# Altium PCB MU_MP_39_V1.PcbDoc (part 5 of 15) (continued)
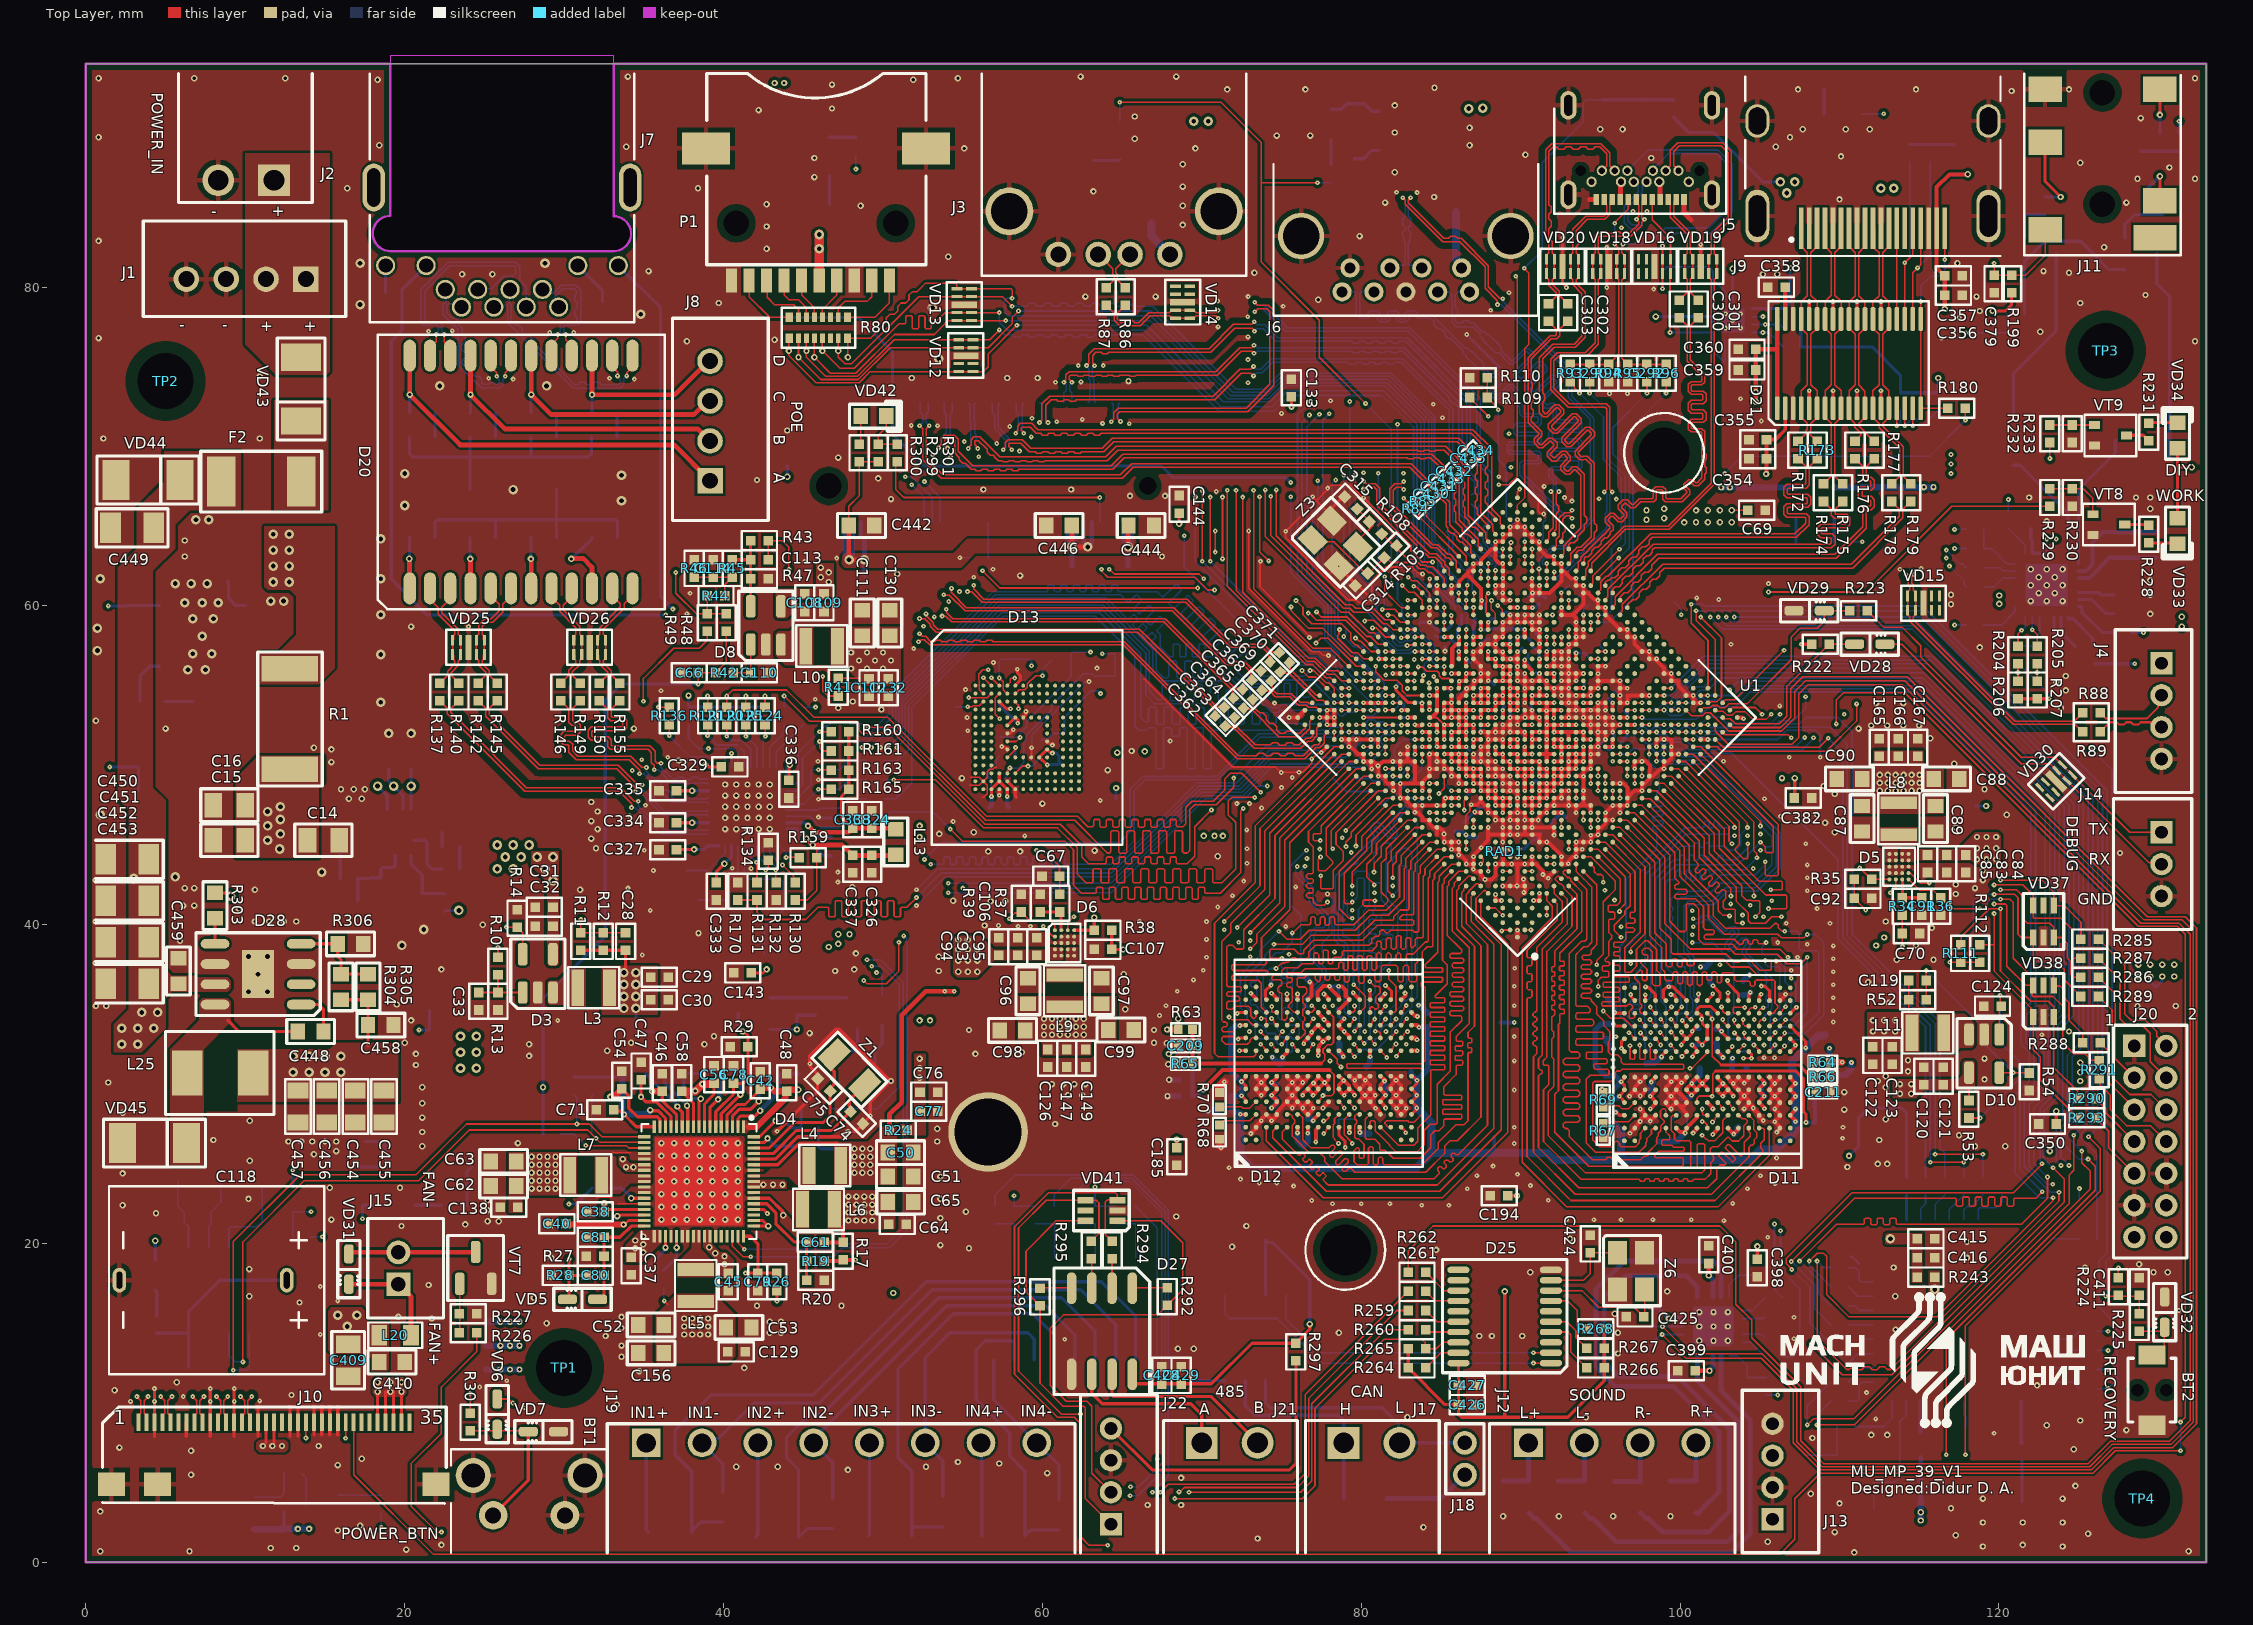
[diagram p0: Top Layer view]
## Nets (pads, with @x,y where several pads share a name; then routed paths per layer and width w, separated by ;. In a path a pad name is that pad's centre, name@x,y a point inside that pad or via, vN(x,y) a via of type N, cw(c..) or ccw(c..) an arc to the next point about the centre after c; other vN are vias at no path point) (continued)
DDR1_A1: D12.P2 U1.A10 | length 34.2
  Top Layer w0.1: D12.P2@81.205,27.301 82.35,26.156 83.298,26.156 83.552,26.41 83.552,27.252 84.351,28.051 84.351,30.5 84.351,30.85 84.409,30.909 85.198,30.909 85.243,30.954 85.243,31.164 85.198,31.209 84.38,31.209 84.335,31.254 84.335,31.464 84.38,31.509 85.198,31.509 85.243,31.554 85.243,31.764 85.198,31.809 84.38,31.809 84.335,31.854 84.335,32.064 84.38,32.109 85.198,32.109 85.243,32.154 85.243,32.364 85.198,32.409 84.38,32.409 84.335,32.454 84.335,32.664 84.38,32.709 85.198,32.709 85.243,32.754 85.243,32.964 85.198,33.009 84.38,33.009 84.335,33.054 84.335,33.264 84.38,33.309 85.198,33.309 85.243,33.354 85.243,33.564 85.198,33.609 84.38,33.609 84.335,33.654 84.335,33.864 84.38,33.909 85.198,33.909 85.243,33.954 85.243,34.164 85.198,34.209 84.38,34.209 84.335,34.254 84.335,34.464 84.38,34.509 85.198,34.509 85.243,34.554 85.243,34.764 85.198,34.809 84.38,34.809 84.335,34.854 84.335,35.064 84.38,35.109 85.198,35.109 85.243,35.154 85.243,35.364 85.198,35.409 84.709,35.409 84.65,35.467 84.65,35.55 84.891,35.791 85.4,36.3 85.4,37.475 85.1,37.775 85.1,42.526 85.201,42.627 85.201,42.886 U1.A10@85.663,43.348
DDR1_A2: D12.N2 U1.B9 | length 34.2
  Top Layer w0.1: D12.N2@80.555,27.301 D12.N2@80.555,27.397 ; D12.N2@80.554,27.397 80.554,27.629 80.635,27.71 80.779,27.71 80.875,27.613 80.875,27.065 81.039,26.901 81.074,26.901 81.774,26.201 81.774,26.156 82.18,25.749 83.501,25.749 83.958,26.207 83.958,27.108 84.327,27.477 84.669,27.477 84.771,27.578 84.771,29.996 85.575,30.801 85.575,33.25 86.3,33.975 86.3,34.157 86.3,34.207 86.21,34.297 85.649,34.297 85.559,34.387 85.559,34.507 85.649,34.597 86.34,34.597 86.43,34.687 86.43,34.807 86.34,34.897 85.649,34.897 85.559,34.987 85.559,35.107 85.649,35.197 86.34,35.197 86.43,35.287 86.43,35.407 86.34,35.497 85.649,35.497 85.559,35.587 85.559,35.707 85.649,35.797 86.34,35.797 86.43,35.887 86.43,36.007 86.34,36.097 85.79,36.097 85.7,36.187 85.7,36.307 85.79,36.397 86.34,36.397 86.43,36.487 86.43,36.607 86.34,36.697 85.79,36.697 85.7,36.787 85.7,36.907 85.79,36.997 86.34,36.997 86.43,37.087 86.43,37.207 86.34,37.297 85.79,37.297 85.7,37.387 85.7,37.507 85.79,37.597 86.34,37.597 86.43,37.687 86.43,37.807 86.34,37.897 85.649,37.897 85.559,37.987 85.559,38.107 85.649,38.197 86.21,38.197 86.3,38.287 86.3,38.425 86.175,38.55 85.4,39.325 85.4,42.401 85.501,42.503 85.501,42.726 86.124,43.348 U1.B9@86.583,43.348
DDR1_A3: D12.N3 U1.A9 | length 34.4
  Top Layer w0.1: D12.N3@80.555,28.101 80.25,27.796 80.25,26.639 80.351,26.537 80.859,26.537 81.164,26.232 81.164,25.901 81.223,25.843 81.507,25.843 82.007,25.343 83.704,25.343 84.364,26.003 84.364,26.816 84.618,27.07 84.875,27.07 85.175,27.37 85.175,27.475 85.175,27.757 85.234,27.816 86.249,27.816 86.294,27.861 86.294,28.071 86.249,28.116 85.149,28.116 85.104,28.161 85.104,28.371 85.149,28.416 86.249,28.416 86.294,28.461 86.294,28.671 86.249,28.716 85.149,28.716 85.104,28.761 85.104,28.971 85.149,29.016 86.249,29.016 86.294,29.061 86.294,29.271 86.249,29.316 85.234,29.316 85.175,29.375 85.175,29.425 85.175,29.825 85.95,30.6 85.95,30.65 85.95,31.133 86.009,31.191 86.313,31.191 86.358,31.236 86.358,31.446 86.313,31.491 85.934,31.491 85.889,31.536 85.889,31.746 85.934,31.791 86.313,31.791 86.358,31.836 86.358,32.046 86.313,32.091 85.934,32.091 85.889,32.136 85.889,32.346 85.934,32.391 86.313,32.391 86.358,32.436 86.358,32.646 86.313,32.691 86.009,32.691 85.95,32.75 85.95,32.8 85.95,32.976 86.774,33.8 86.774,38.551 85.7,39.625 85.7,42.277 85.825,42.402 85.825,42.6 U1.A9@86.113,42.888
DDR1_A4: D12.M3 U1.B8 | length 34.2
  Top Layer w0.1: D12.M3@79.905,28.101 79.706,28.101 79.589,27.985 79.589,27.832 79.721,27.701 79.721,27.557 79.589,27.426 79.589,26.664 79.691,26.562 79.843,26.562 80.174,26.231 80.174,25.425 80.092,25.343 79.939,25.343 79.874,25.407 79.874,25.936 79.81,26 79.72,26 79.549,25.83 79.549,25.126 79.738,24.937 80.175,24.937 80.37,24.937 80.46,25.027 80.46,25.98 80.55,26.07 80.67,26.07 80.76,25.98 80.76,25.018 80.85,24.928 80.97,24.928 81.06,25.018 81.06,25.334 81.15,25.424 81.27,25.424 81.36,25.334 81.36,25.027 81.45,24.937 81.8,24.937 83.812,24.937 84.822,25.947 84.822,26.322 85.95,27.45 86.45,27.45 86.7,27.7 86.7,31.579 86.7,31.929 86.759,31.988 86.894,31.988 86.939,32.033 86.939,32.243 86.894,32.288 86.72,32.288 86.675,32.333 86.675,32.543 86.72,32.588 86.894,32.588 86.939,32.633 86.939,32.843 86.894,32.888 86.759,32.888 86.7,32.946 86.7,33.025 86.7,33.242 87.108,33.65 87.108,38.642 86,39.75 86,42.153 86.125,42.278 86.125,42.435 86.733,43.043 86.884,43.043 87.038,42.888 U1.B8@87.042,42.888
DDR1_A5: D12.F3 U1.A8 | length 34.2
  Top Layer w0.1: D12.F3@76.005,28.101 76.043,28.063 76.16,28.063 76.329,27.894 76.329,26.52 76.849,26 77.387,26 77.956,26 78.13,26.174 78.258,26.174 78.343,26.089 78.343,25.962 78.017,25.636 78.017,25.509 78.102,25.424 78.229,25.424 78.601,25.796 78.728,25.796 78.813,25.711 78.813,25.584 78.391,25.162 78.391,25.034 78.476,24.949 78.603,24.949 78.974,25.32 79.101,25.32 79.186,25.235 79.186,25.108 78.815,24.737 78.815,24.61 78.9,24.525 79.027,24.525 79.225,24.723 79.352,24.723 79.387,24.687 79.599,24.475 84.055,24.475 85.228,25.648 85.228,26.103 85.575,26.45 86.03,26.45 87.514,27.934 87.514,38.686 86.3,39.9 86.3,42.025 86.425,42.15 86.425,42.242 86.583,42.4 U1.A8@86.583,42.429
DDR1_A6: D12.E3 U1.B7 | length 34.3
  Top Layer w0.1: D12.E3@75.355,28.101 75.567,28.101 75.668,27.999 75.668,27.914 75.834,27.748 75.834,27.579 75.668,27.413 75.668,26.74 75.842,26.566 75.859,26.566 76.725,25.7 77.403,25.7 77.724,25.379 77.724,25.138 78.788,24.075 84.574,24.075 84.85,24.35 84.885,24.386 84.885,24.513 84.796,24.602 84.796,24.73 84.881,24.814 85.008,24.814 85.119,24.703 85.246,24.703 85.331,24.788 85.331,24.915 85.22,25.027 85.22,25.154 85.305,25.239 85.432,25.239 85.543,25.127 85.671,25.127 85.756,25.212 85.756,25.339 85.644,25.451 85.644,25.578 85.729,25.663 85.856,25.663 85.946,25.574 86.073,25.574 86.15,25.65 87.92,27.421 87.92,38.755 86.6,40.075 86.6,41.9 86.742,42.042 86.742,42.093 87.213,42.564 87.343,42.564 87.479,42.429 U1.B7@87.502,42.429
DDR1_A7: D12.E2 U1.A7 | length 34.4
  Top Layer w0.1: D12.E2@75.355,27.301 75.047,26.993 75.047,26.553 75.925,25.675 76.06,25.54 76.143,25.54 76.27,25.667 76.333,25.667 76.482,25.519 76.482,25.455 76.333,25.306 76.333,25.243 76.481,25.094 76.545,25.094 76.724,25.274 76.788,25.274 76.937,25.125 76.937,25.061 76.757,24.882 76.757,24.818 76.906,24.67 76.969,24.67 77.149,24.849 77.212,24.849 77.361,24.701 77.361,24.637 77.181,24.458 77.181,24.394 77.33,24.246 77.393,24.246 77.573,24.425 77.637,24.425 77.785,24.276 77.785,24.213 77.628,24.055 77.628,23.972 77.875,23.725 77.925,23.675 84.763,23.675 88.327,27.239 88.327,38.773 86.9,40.2 86.9,41.775 87.042,41.917 U1.A7@87.042,41.969
DDR1_A8: D12.D2 U1.B6 | length 34.3
  Top Layer w0.1: D12.D2@74.705,27.301 74.45,27.046 74.45,26.632 77.807,23.275 84.928,23.275 88.784,27.131 88.784,38.766 87.2,40.35 87.2,41.651 87.699,42.149 87.781,42.149 U1.B6@87.962,41.969
DDR1_A9: D12.C2 U1.A6 | length 34.4
  Top Layer w0.1: D12.C2@74.055,27.301 74.05,27.296 74.05,26.45 77.625,22.875 85.1,22.875 89.19,26.965 89.19,38.805 87.502,40.493 U1.A6@87.502,41.51
DDR1_ATB0: U1.F17 | length 0.5
  Top Layer w0.1: v1(84.287,48.865) 84.288,48.864 84.743,48.864 U1.F17@84.744,48.863
DDR1_ATB1: U1.G17 | length 1.2
  Top Layer w0.1: v1(84.875,48.225) 85.204,48.554 U1.G17@85.204,49.323
DDR1_CKE0: D12.K3 U1.A5 | length 32.4
  Top Layer w0.1: v1(78.573,26.283) 78.325,26.531 78.325,26.586 78.255,26.657 78.255,27.446 78.325,27.516 78.325,27.822 D12.K3@78.605,28.101 ; U1.A5@87.962,41.05 88.276,41.05 88.419,41.05 88.672,40.797 88.679,40.797 v1(88.882,40.594)
  Inner_Layer w0.13: v1(78.573,26.283) 78.267,26.283 78.15,26.4 78.15,26.924 78.226,27 78.782,27 79.157,26.625 80.175,26.625 80.24,26.625 80.316,26.701 80.316,26.828 80.366,26.877 80.597,26.877 80.646,26.828 80.646,26.505 80.696,26.455 80.927,26.455 80.976,26.505 80.976,26.828 81.026,26.877 81.257,26.877 81.306,26.828 81.306,26.505 81.356,26.455 81.587,26.455 81.636,26.505 81.636,26.828 81.686,26.877 81.917,26.877 81.966,26.828 81.966,26.505 82.016,26.455 82.247,26.455 82.296,26.505 82.296,26.627 82.346,26.677 82.577,26.677 82.626,26.627 82.626,26.505 82.676,26.455 82.907,26.455 82.956,26.505 82.956,26.62 83.006,26.669 83.237,26.669 83.286,26.62 83.286,26.505 83.336,26.455 83.567,26.455 83.616,26.505 83.616,26.919 83.666,26.969 83.897,26.969 83.946,26.919 83.946,26.505 83.996,26.455 84.227,26.455 84.276,26.505 84.276,26.549 84.352,26.625 84.5,26.625 84.575,26.625 88.675,30.725 88.675,38.25 88.675,38.45 88.531,38.594 88.531,38.664 88.694,38.827 88.764,38.827 89.079,38.512 89.149,38.512 89.312,38.676 89.312,38.746 89.208,38.85 89.208,38.958 89.463,39.212 89.475,39.225 89.475,40.849 89.399,40.925 89.213,40.925 v1(88.882,40.594)
DDR1_CKE1: D12.K4 U1.E6 | length 32.3
  Top Layer w0.1: D12.K4@78.605,28.901 78.775,28.731 78.775,28.66 78.93,28.505 v1(78.93,28.501) ; v1(88.882,43.351) 88.885,43.348 U1.E6@89.34,43.348
  Inner_Layer w0.13: v1(78.93,28.501) 78.93,27.52 79.151,27.299 79.295,27.299 79.562,27.299 79.661,27.398 79.661,27.614 79.76,27.713 79.892,27.713 79.991,27.614 79.991,27.383 80.09,27.284 80.222,27.284 80.321,27.383 80.321,27.614 80.42,27.713 80.552,27.713 80.651,27.614 80.651,27.321 80.75,27.222 80.882,27.222 80.981,27.321 80.981,27.614 81.08,27.713 81.212,27.713 81.311,27.614 81.311,27.321 81.41,27.222 81.542,27.222 81.641,27.321 81.641,27.614 81.74,27.713 81.872,27.713 81.971,27.614 81.971,27.321 82.07,27.222 82.202,27.222 82.301,27.321 82.301,27.614 82.4,27.713 82.532,27.713 82.631,27.614 82.631,27.367 82.73,27.268 82.862,27.268 82.961,27.367 82.961,27.614 83.06,27.713 83.192,27.713 83.291,27.614 83.291,27.395 83.39,27.296 83.522,27.296 83.621,27.395 83.621,27.614 83.72,27.713 83.852,27.713 83.951,27.614 83.951,27.398 84.05,27.299 84.445,27.299 84.517,27.299 88.1,30.882 88.1,39.174 88.176,39.25 89.033,39.25 89.145,39.362 89.145,39.999 89.069,40.075 88.551,40.075 88.475,40.151 88.475,40.706 89.14,41.37 89.14,41.65 88.53,42.259 88.53,43.252 88.632,43.354 88.879,43.354 v1(88.882,43.351)
DDR1_CLK0_N: D12.J2 R74.2 U1.D8 | length 32.3
  Top Layer w0.08: v1(77.65,26.899) 77.65,26.907 77.8,27.057 77.8,27.144 77.955,27.299 D12.J2@77.955,27.301 ; U1.D8@87.962,43.808 87.961,43.353 v1(87.963,43.351)
  Inner_Layer w0.09: v1(77.65,26.899) 77.644,26.905 77.644,27.131 77.697,27.184 77.971,27.184 78.296,27.508 78.296,29.094 78.295,29.095 78.873,29.673 84.712,29.673 86.609,31.57 86.609,31.573 86.67,31.634 86.67,32 86.67,32.201 86.488,32.382 86.294,32.382 86.25,32.426 86.25,32.629 86.294,32.672 86.765,32.672 86.937,32.845 86.937,33.23 86.765,33.402 86.294,33.402 86.25,33.446 86.25,33.649 86.294,33.692 86.851,33.692 87.023,33.865 87.023,34.25 86.851,34.422 86.294,34.422 86.25,34.466 86.25,34.669 86.294,34.712 86.836,34.712 87.009,34.885 87.009,35.27 86.836,35.442 86.294,35.442 86.25,35.486 86.25,35.689 86.294,35.732 86.852,35.732 87.025,35.905 87.025,36.29 86.852,36.462 86.294,36.462 86.25,36.506 86.25,36.709 86.294,36.752 86.852,36.752 87.024,36.925 87.024,37.31 86.852,37.482 86.294,37.482 86.25,37.526 86.25,37.729 86.294,37.772 86.488,37.772 86.67,37.954 86.67,39.1 86.67,39.384 87.22,39.934 87.22,42.92 87.651,43.351 v1(87.963,43.351)
DDR1_CLK0_P: D12.J3 R72.2 U1.D9 | length 32.3
  Top Layer w0.08: v1(77.639,27.689) 77.681,27.731 77.806,27.731 77.954,27.879 D12.J3@77.955,28.101 ; U1.D9@87.502,44.267 87.659,44.11 87.659,43.966 v1(87.504,43.811)
  Inner_Layer w0.09: v1(77.639,27.689) 77.644,27.683 77.644,27.457 77.697,27.405 77.88,27.405 78.075,27.6 78.075,29.189 78.781,29.895 84.62,29.895 86.45,31.725 86.45,32 86.45,32.109 86.397,32.162 86.203,32.162 86.03,32.335 86.03,32.72 86.203,32.892 86.673,32.892 86.717,32.936 86.717,33.139 86.673,33.182 86.203,33.182 86.03,33.355 86.03,33.74 86.203,33.912 86.759,33.912 86.803,33.956 86.803,34.159 86.759,34.202 86.203,34.202 86.03,34.375 86.03,34.76 86.203,34.932 86.745,34.932 86.789,34.976 86.789,35.179 86.745,35.222 86.203,35.222 86.03,35.395 86.03,35.78 86.203,35.952 86.761,35.952 86.805,35.996 86.805,36.199 86.761,36.242 86.203,36.242 86.03,36.415 86.03,36.8 86.203,36.972 86.761,36.972 86.804,37.016 86.804,37.219 86.761,37.262 86.203,37.262 86.03,37.435 86.03,37.82 86.203,37.992 86.397,37.992 86.45,38.045 86.45,39.1 86.45,39.475 87,40.025 87,43.011 87.504,43.515 v1(87.504,43.811)
DDR1_CSN0: D12.L3 U1.F12 | length 32.2
  Top Layer w0.1: D12.L3@79.255,28.101 78.929,27.775 78.929,26.846 79.352,26.423 ; 79.352,26.421 79.437,26.337 v1(79.437,26.283) ; U1.F12@87.042,46.565 87.042,46.11 v1(87.044,46.108)
  Inner_Layer w0.13: v1(79.437,26.283) 79.44,26.283 79.673,26.05 84.85,26.05 89.125,30.325 89.125,37.65 90.206,38.731 90.206,40.3 90.003,40.503 90.003,41.696 89.244,42.456 89.244,43.476 88.559,44.161 87.714,44.161 87.042,44.833 87.042,46.106 v1(87.044,46.108)
DDR1_CSN1: D12.L4 U1.A2 | length 32.3
  Top Layer w0.1: D12.L4@79.255,28.901 79.255,28.847 79.339,28.762 79.339,28.761 79.58,28.52 v1(79.58,28.501) ; v1(88.815,39.613) 88.869,39.613 88.927,39.671 U1.A2@89.34,39.671
  Inner_Layer w0.13: v1(79.58,28.501) 80.292,28.501 80.707,28.086 84.336,28.086 87.514,31.264 87.514,31.75 87.514,31.815 87.415,31.914 87.283,31.914 87.184,32.013 87.184,32.145 87.283,32.244 87.656,32.244 87.755,32.343 87.755,32.475 87.656,32.574 87.379,32.574 87.28,32.673 87.28,32.805 87.379,32.904 87.656,32.904 87.755,33.003 87.755,33.135 87.656,33.234 87.344,33.234 87.245,33.333 87.245,33.465 87.344,33.564 87.656,33.564 87.755,33.663 87.755,33.795 87.656,33.894 87.432,33.894 87.333,33.993 87.333,34.125 87.432,34.224 87.656,34.224 87.755,34.323 87.755,34.455 87.656,34.554 87.43,34.554 87.331,34.653 87.331,34.785 87.43,34.884 87.656,34.884 87.755,34.983 87.755,35.115 87.656,35.214 87.418,35.214 87.319,35.313 87.319,35.445 87.418,35.544 87.656,35.544 87.755,35.643 87.755,35.775 87.656,35.874 87.434,35.874 87.335,35.973 87.335,36.105 87.434,36.204 87.656,36.204 87.755,36.303 87.755,36.435 87.656,36.534 87.431,36.534 87.332,36.633 87.332,36.765 87.431,36.864 87.656,36.864 87.755,36.963 87.755,37.095 87.656,37.194 87.433,37.194 87.334,37.293 87.334,37.425 87.433,37.524 87.656,37.524 87.755,37.623 87.755,37.755 87.656,37.854 87.283,37.854 87.184,37.953 87.184,38.085 87.283,38.184 87.656,38.184 87.755,38.283 87.755,38.415 87.656,38.514 87.283,38.514 87.184,38.613 87.184,38.745 87.283,38.844 87.656,38.844 87.755,38.943 87.755,39.075 87.656,39.174 87.359,39.174 87.26,39.273 87.26,39.405 87.359,39.504 87.511,39.504 87.61,39.603 87.61,39.759 87.61,41.574 87.686,41.65 88.053,41.65 88.124,41.58 88.124,39.772 88.306,39.589 88.736,39.589 88.761,39.613 v1(88.815,39.613)
DDR1_D0: D12.P9 U1.B15 | length 20
  Top Layer w0.1: v1(80.885,33.317) 80.898,33.304 81.096,33.304 81.205,33.195 D12.P9@81.205,32.901 ; v1(81.977,41.824) 81.667,42.134 81.667,43.842 81.88,44.055 81.88,44.627 83.354,46.1 U1.B15@83.819,46.1
  Bottom Layer w0.1: v1(80.885,33.317) 80.9,33.332 80.9,33.626 81.174,33.9 81.174,34.25 81.424,34.5 81.62,34.5 82.176,35.056 82.176,35.701 82.849,36.375 82.849,43.636 82.785,43.7 82.389,43.7 82.324,43.636 82.324,42.184 81.977,41.837 v1(81.977,41.824)
DDR1_D1: D12.N9 U1.A15 | length 19.9
  Top Layer w0.1: D12.N9@80.555,32.901 80.555,32.888 80.7,32.742 80.7,32.664 80.85,32.515 v1(80.85,32.506) ; v1(81.977,42.942) 81.977,43.727 82.199,43.949 82.199,44.48 U1.A15@83.365,45.646
  Bottom Layer w0.1: v1(80.85,32.506) 80.85,32.782 80.951,32.883 81.139,32.883 81.225,32.97 81.225,33.427 81.509,33.711 81.658,33.711 81.85,33.903 81.85,34.258 82.524,34.933 82.524,35.051 82.535,35.062 82.535,35.071 82.714,35.249 82.86,35.249 83.171,35.56 83.171,44.529 82.899,44.8 82.599,44.8 81.977,44.177 v1(81.977,42.942)
DDR1_D2: D12.N10 U1.B16 | length 20.1
  Top Layer w0.1: D12.N10@80.555,33.701 80.555,33.714 80.7,33.86 80.7,33.922 80.85,34.072 v1(80.85,34.081) ; v1(80.8,43.3) 80.821,43.321 80.821,43.846 81.266,44.291 81.266,44.916 82.915,46.565 U1.B16@83.365,46.565
  Bottom Layer w0.1: v1(80.8,43.3) 80.783,43.317 80.783,44.484 81.399,45.1 81.816,45.1 81.874,45.041 81.874,44.65 81.57,44.346 81.57,41.7 82.299,40.971 82.299,38.125 81.474,37.3 81.18,37.006 81.18,35.525 81.078,35.423 80.947,35.423 80.85,35.326 80.85,35.11 80.914,35.046 81.062,35.046 81.143,34.965 81.143,34.822 81.062,34.741 80.961,34.741 80.85,34.63 v1(80.85,34.081)
DDR1_D3: D12.N11 U1.A16 | length 20.1
  Top Layer w0.1: v1(80.529,36.439) 80.834,36.134 81.062,36.134 81.189,36.007 81.189,35.753 80.9,35.463 80.9,35.154 81.062,34.991 81.062,34.814 80.961,34.712 80.859,34.712 80.729,34.842 80.613,34.842 80.554,34.783 D12.N11@80.555,34.501 ; v1(80.859,41.502) 80.821,41.54 80.711,41.54 80.701,41.55 80.164,41.55 80.099,41.486 80.099,41.284 80.209,41.175 81.397,41.175 81.674,41.452 81.674,41.625 81.266,42.034 81.266,43.866 81.57,44.17 81.57,44.77 U1.A16@82.906,46.106
  Bottom Layer w0.1: v1(80.529,36.439) 80.529,37.496 80.529,37.546 80.53,37.846 80.62,37.936 80.87,37.936 80.96,38.026 80.96,38.146 80.87,38.236 80.56,38.236 80.47,38.326 80.47,38.446 80.56,38.536 80.87,38.536 80.96,38.626 80.96,38.746 80.87,38.836 80.56,38.836 80.47,38.926 80.47,39.046 80.56,39.136 80.886,39.136 80.976,39.226 80.976,39.346 80.886,39.436 80.561,39.436 80.471,39.526 80.471,39.646 80.561,39.736 80.874,39.736 80.964,39.826 80.964,39.946 80.874,40.036 80.562,40.036 80.472,40.126 80.472,40.246 80.562,40.336 80.87,40.336 80.96,40.426 80.96,40.546 80.87,40.636 80.816,40.636 80.726,40.726 80.726,40.853 80.832,40.959 80.859,40.987 v1(80.859,41.502)
DDR1_D4: D12.M8 U1.B17 | length 19.8
  Top Layer w0.1: v1(79.437,42.434) 79.437,43.312 80.656,44.531 80.656,45.231 82.45,47.025 U1.B17@82.906,47.025 ; v1(79.555,32.501) 79.725,32.331 79.725,32.281 D12.M8@79.905,32.101
  Bottom Layer w0.1: v1(79.437,42.434) 79.437,43.063 79.723,43.35 80.3,43.35 80.514,43.136 80.514,41.225 80.149,40.86 80.149,36.553 80.2,36.503 80.2,33.75 79.919,33.469 79.919,33.09 79.792,32.963 79.792,32.767 79.555,32.53 v1(79.555,32.501)
DDR1_D5: D12.M9 U1.A17 | length 19.8
  Top Layer w0.1: D12.M9@79.905,32.901 79.905,32.863 80.025,32.742 80.025,32.721 v1(80.189,32.557) ; v1(80.817,42.501) 80.817,42.533 80.351,42.999 80.351,43.801 80.961,44.411 80.961,45.08 U1.A17@82.446,46.565
  Bottom Layer w0.1: v1(80.189,32.557) 80.575,32.942 80.575,33.717 80.51,33.782 80.51,35.41 80.87,35.77 80.87,37.134 81.26,37.524 81.26,38.65 81.26,39 81.35,39.09 81.909,39.09 81.999,39.18 81.999,39.3 81.909,39.39 81.379,39.39 81.289,39.48 81.289,39.6 81.379,39.69 81.909,39.69 81.999,39.78 81.999,39.9 81.909,39.99 81.35,39.99 81.26,40.08 81.26,40.425 81.26,40.636 81.325,40.7 81.76,40.7 81.824,40.764 81.824,41.008 81.26,41.572 81.26,42.511 81.146,42.625 80.975,42.625 80.851,42.501 v1(80.817,42.501)
DDR1_D6: D12.M10 U1.A18 | length 19.9
  Top Layer w0.1: v1(79.437,41.418) 79.335,41.316 79.03,41.316 78.929,41.418 78.929,43.229 80.351,44.651 80.351,45.39 U1.A18@81.986,47.025 ; v1(79.58,33.319) 79.75,33.489 79.75,33.542 79.905,33.697 D12.M10@79.905,33.701
  Bottom Layer w0.1: v1(79.437,41.418) 79.749,41.73 79.749,42.861 79.814,42.925 80.14,42.925 80.204,42.861 80.204,41.362 79.828,40.985 79.828,36.437 79.89,36.375 79.89,33.89 79.58,33.58 v1(79.58,33.319)
DDR1_D7: D12.M11 U1.B18 | length 20
  Top Layer w0.1: v1(79.437,40.402) 79.234,40.402 78.624,41.011 78.624,43.349 80.046,44.771 80.046,45.546 82,47.5 82.431,47.5 U1.B18@82.446,47.485 ; v1(79.538,36.236) 80.25,35.524 80.25,34.846 D12.M11@79.905,34.501
  Bottom Layer w0.1: v1(79.437,40.402) 79.127,40.712 79.127,41.461 79.062,41.525 78.946,41.525 78.887,41.466 78.887,41.003 78.834,40.95 78.834,40.325 78.834,40.138 78.924,40.048 79.487,40.048 79.577,39.958 79.577,39.838 79.487,39.748 78.924,39.748 78.834,39.658 78.834,39.308 78.834,39.291 78.917,39.208 79.142,39.208 79.518,38.832 79.518,36.257 v1(79.538,36.236)
DDR1_D8: D12.F11 U1.B11 | length 27.9
  Top Layer w0.1: D12.F11@76.005,34.501 75.779,34.501 75.438,34.842 75.438,34.953 75.678,35.193 75.678,35.983 75.588,36.072 75.411,36.072 75.322,36.161 75.322,36.288 75.411,36.377 75.588,36.377 75.675,36.463 75.675,36.603 75.603,36.675 75.384,36.675 75.325,36.734 75.325,36.925 75.385,36.985 76.223,36.985 76.478,37.24 78.52,37.24 78.584,37.304 78.584,37.569 78.673,37.658 78.8,37.658 78.889,37.569 78.889,37.24 78.978,37.15 79.08,37.15 79.169,37.24 79.169,37.99 79.234,38.054 79.409,38.054 79.474,37.99 79.474,37.24 79.563,37.15 79.665,37.15 79.754,37.24 79.754,37.99 79.814,38.05 79.999,38.05 80.059,37.99 80.059,37.24 80.148,37.15 80.274,37.15 80.364,37.24 80.364,37.99 80.428,38.054 80.604,38.054 80.668,37.99 80.668,37.24 80.758,37.15 80.859,37.15 80.961,37.252 80.961,38.161 81.059,38.259 81.141,38.259 81.266,38.134 81.266,37.849 81.355,37.76 81.481,37.76 81.57,37.849 81.57,38.12 81.684,38.234 81.766,38.234 81.875,38.125 81.875,37.849 81.965,37.76 82.091,37.76 82.18,37.849 82.18,38.105 82.309,38.234 82.391,38.234 82.485,38.14 82.485,37.849 82.584,37.75 82.708,37.75 82.819,37.862 82.819,38.108 82.878,38.166 83.266,38.166 84.019,38.919 84.141,38.919 84.2,38.978 84.2,42.911 84.3,43.011 84.3,43.363 85.204,44.267 U1.B11@85.663,44.267
DDR1_D9: D12.F10 U1.B12 | length 25.1
  Top Layer w0.1: v1(74.662,37.252) 75,37.59 75.083,37.59 75.093,37.6 75.191,37.6 75.249,37.658 75.433,37.658 75.699,37.925 75.858,37.925 75.923,37.86 76.59,37.86 76.711,37.98 76.711,38.29 77.13,38.71 80.488,38.71 80.656,38.878 80.656,39.081 80.859,39.284 81.062,39.284 81.164,39.386 81.164,39.589 81.245,39.669 81.388,39.669 81.57,39.487 81.686,39.487 81.849,39.65 83.226,39.65 83.33,39.546 83.541,39.546 83.6,39.605 83.6,43.16 83.7,43.26 83.7,43.678 84.749,44.727 U1.B12@85.204,44.727 ; v1(75.703,33.319) 75.703,33.33 75.85,33.477 75.85,33.542 76.005,33.697 D12.F10@76.005,33.701
  Bottom Layer w0.1: v1(74.662,37.252) 74.255,37.252 73.849,36.846 73.849,35.525 73.747,35.423 73.747,35.118 73.849,35.017 73.849,34.876 74.216,34.509 74.662,34.509 74.763,34.407 74.763,34.204 74.916,34.052 75.119,34.052 75.474,33.696 76.06,33.696 76.124,33.632 76.124,32.875 76.06,32.811 75.739,32.811 75.445,33.104 75.659,33.319 v1(75.703,33.319)
DDR1_D10: D12.F9 U1.A11 | length 28
  Top Layer w0.1: D12.F9@76.005,32.901 76.203,32.901 76.495,33.192 76.495,33.336 76.338,33.493 76.338,33.899 76.469,34.03 76.469,34.174 76.338,34.306 76.338,34.661 76.49,34.814 76.49,34.966 76.338,35.118 76.338,35.474 76.592,35.728 76.592,35.991 76.49,36.092 76.084,36.092 75.978,36.199 75.978,36.611 76.042,36.675 76.421,36.675 76.671,36.925 77.062,36.925 77.121,36.866 77.121,36.596 77.281,36.436 77.364,36.436 77.425,36.497 77.425,36.816 77.484,36.875 77.672,36.875 77.73,36.816 77.73,36.599 77.819,36.509 77.946,36.509 78.035,36.599 78.035,36.756 78.124,36.846 78.25,36.846 78.34,36.756 78.34,36.599 78.429,36.509 78.555,36.509 78.645,36.599 78.645,36.756 78.734,36.846 78.86,36.846 78.949,36.756 78.949,36.497 79.039,36.408 79.165,36.408 79.254,36.497 79.254,36.756 79.343,36.846 79.742,36.846 79.843,36.744 79.843,36.439 79.945,36.338 80.097,36.338 80.199,36.439 80.199,36.744 80.3,36.846 80.758,36.846 80.859,36.744 80.859,36.541 80.961,36.439 81.164,36.439 81.266,36.541 81.266,37.354 81.367,37.455 82.18,37.455 82.282,37.354 82.282,36.541 82.401,36.422 82.544,36.422 82.646,36.523 82.646,37.354 82.742,37.45 82.896,37.45 82.993,37.354 82.993,36.515 83.094,36.414 83.391,36.414 83.492,36.515 83.492,36.752 83.399,36.846 83.399,37.557 83.602,37.76 83.722,37.76 83.819,37.858 83.819,38.295 84.143,38.619 84.441,38.619 84.5,38.678 84.5,42.787 84.6,42.887 84.6,43.204 U1.A11@85.204,43.808
DDR1_D11: D12.F8 U1.B13 | length 25.1
  Top Layer w0.1: v1(74.524,38.775) 74.534,38.765 76.301,38.765 76.886,39.35 79.909,39.35 80.849,40.29 81.985,40.29 82.049,40.354 82.049,40.512 82.463,40.925 82.941,40.925 83,40.984 83,43.408 83.1,43.508 83.1,43.995 84.292,45.186 U1.B13@84.744,45.186 ; v1(75.678,32.506) 75.678,32.495 75.825,32.347 75.825,32.281 D12.F8@76.005,32.101
  Bottom Layer w0.1: v1(74.524,38.775) 74.488,38.739 74.488,38.602 73.956,38.07 73.956,37.892 72.731,36.668 72.731,34.915 73.138,34.509 73.138,34.187 73.629,33.696 73.747,33.696 74.052,33.391 74.052,33.264 74.141,33.175 74.591,33.175 74.781,32.985 75.074,32.985 75.327,32.732 75.327,32.062 75.392,31.998 75.613,31.998 75.678,32.062 v1(75.678,32.506)
DDR1_D12: D12.E11 U1.A12 | length 28
  Top Layer w0.1: D12.E11@75.355,34.501 75.355,34.155 75.201,34.001 75.118,34.001 75.017,34.102 75.017,35.677 74.966,35.728 74.884,35.728 74.763,35.849 74.763,36.033 74.865,36.134 74.916,36.134 75.017,36.236 75.017,36.439 74.916,36.541 74.459,36.541 74.383,36.617 74.383,36.708 74.52,36.846 74.916,36.846 75.017,36.947 75.017,37.1 75.218,37.3 76.03,37.3 76.28,37.55 76.956,37.55 77.021,37.614 77.021,38.162 77.085,38.227 77.226,38.227 77.325,38.127 77.325,37.614 77.39,37.55 77.544,37.55 77.608,37.614 77.608,38.336 77.673,38.4 77.861,38.4 77.925,38.336 77.925,37.614 77.99,37.55 78.153,37.55 78.218,37.614 78.218,37.862 78.319,37.963 78.726,37.963 78.827,38.065 78.827,38.3 78.892,38.364 80.688,38.364 80.966,38.642 80.966,38.883 81.041,38.958 81.185,38.958 81.266,38.878 81.266,38.573 81.367,38.471 81.493,38.471 81.583,38.56 81.583,39.093 81.667,39.177 81.803,39.177 81.888,39.093 81.888,38.561 81.977,38.471 82.103,38.471 82.192,38.56 82.192,39.241 82.251,39.3 82.439,39.3 82.497,39.241 82.497,38.561 82.586,38.471 82.713,38.471 82.802,38.56 82.802,39.093 82.891,39.182 83.017,39.182 83.107,39.093 83.107,38.631 83.165,38.573 83.248,38.573 83.394,38.719 83.394,39.076 83.501,39.182 83.832,39.182 83.9,39.25 83.9,43.035 84,43.135 84,43.523 U1.A12@84.744,44.267
DDR1_D13: D12.E10 U1.A13 | length 25.1
  Top Layer w0.1: v1(75.024,37.9) 75.019,37.905 74.346,37.905 74.274,37.976 74.274,38.391 74.339,38.455 75.806,38.455 76.086,38.175 76.33,38.175 76.389,38.234 76.389,38.407 77.007,39.025 80.074,39.025 81.029,39.98 83.241,39.98 83.3,40.038 83.3,40.241 83.241,40.3 82.482,40.3 82.423,40.359 82.423,40.441 82.607,40.625 83.241,40.625 83.3,40.684 83.3,43.284 83.4,43.384 83.4,43.842 U1.A13@84.285,44.727 ; D12.E10@75.355,33.701 75.355,33.714 75.5,33.86 75.5,33.876 75.663,34.039 v1(75.663,34.05)
  Bottom Layer w0.1: v1(75.024,37.9) 75.078,37.846 75.078,37.569 74.989,37.48 74.989,37.354 75.078,37.264 75.284,37.264 75.368,37.18 75.368,37.044 75.284,36.959 75.078,36.959 74.989,36.87 74.989,36.744 75.078,36.655 75.284,36.655 75.368,36.571 75.368,36.417 75.271,36.32 74.966,36.32 74.865,36.219 74.865,35.423 75.068,35.22 75.474,35.22 75.678,35.017 75.678,34.883 75.588,34.793 75.157,34.793 75.068,34.704 75.068,34.578 75.157,34.489 75.588,34.489 75.675,34.402 75.675,34.062 v1(75.663,34.05)
DDR1_D14: D12.E9 U1.A14 | length 25.2
  Top Layer w0.1: v1(74.839,39.589) 75.347,39.081 76.178,39.081 76.748,39.65 79.632,39.65 80.581,40.6 81.699,40.6 82.7,41.601 82.7,43.532 82.8,43.632 82.8,44.161 U1.A14@83.825,45.186 ; v1(75.017,32.506) 75.175,32.664 75.175,32.721 D12.E9@75.355,32.901
  Bottom Layer w0.1: v1(74.839,39.589) 73.646,38.395 73.646,38.065 72.431,36.85 72.426,36.846 72.426,36.23 72.336,36.14 71.995,36.14 71.905,36.05 71.905,35.93 71.995,35.84 72.341,35.84 72.431,35.75 72.431,35.63 72.341,35.54 71.995,35.54 71.905,35.45 71.905,35.33 71.995,35.24 72.336,35.24 72.426,35.15 72.426,35.1 72.426,34.774 72.833,34.367 72.833,34.001 73.341,33.493 73.341,33.086 73.569,32.858 74.484,32.858 74.836,32.506 v1(75.017,32.506)
DDR1_D15: D12.D9 U1.B14 | length 25.2
  Top Layer w0.1: D12.D9@74.705,32.901 74.705,32.905 74.9,33.1 74.9,33.15 75.051,33.301 v1(75.055,33.301) ; v1(75.678,39.487) 75.712,39.487 76.22,39.995 76.688,39.995 76.738,39.995 76.828,40.085 76.828,40.409 76.918,40.499 77.038,40.499 77.128,40.409 77.128,40.059 77.218,39.969 77.338,39.969 77.428,40.059 77.428,40.409 77.518,40.499 77.638,40.499 77.728,40.409 77.728,40.059 77.818,39.969 77.938,39.969 78.028,40.059 78.028,40.409 78.118,40.499 78.238,40.499 78.328,40.409 78.328,40.085 78.418,39.995 78.6,39.995 79.538,39.995 80.453,40.91 81.57,40.91 82.4,41.739 82.4,43.725 82.5,43.825 82.5,44.325 83.821,45.646 U1.B14@84.285,45.646
  Bottom Layer w0.1: v1(75.055,33.301) 75.025,33.33 74.86,33.33 74.763,33.427 74.763,33.696 74.662,33.798 74.279,33.798 74.027,34.05 74.027,34.274 73.549,34.752 73.549,34.789 73.353,34.985 73.125,34.985 73.036,35.074 73.036,35.2 73.125,35.29 73.353,35.29 73.442,35.379 73.442,36.029 73.353,36.118 73.125,36.118 73.036,36.207 73.036,36.333 73.125,36.423 73.353,36.423 73.442,36.512 73.442,36.947 74.266,37.77 74.266,37.872 74.644,38.25 75.025,38.25 75.678,38.903 v1(75.678,39.487)